# Altium PCB motordriver-v5.1_willem.PcbDoc (part 5 of 6)
Units mil, origin at the board's own origin, x right, y up, seen from the top; angles counter-clockwise.
Board outline 3985.43 x 6141.73 mil, 4 copper layers (Top Copper, Signal Layer 1, Signal Layer 2, Bottom Copper), stack 46.063 mil thick; 731 components, 510 nets, 2436 pads, 771 vias.
Unrouted connection lines stored in the file: 766.
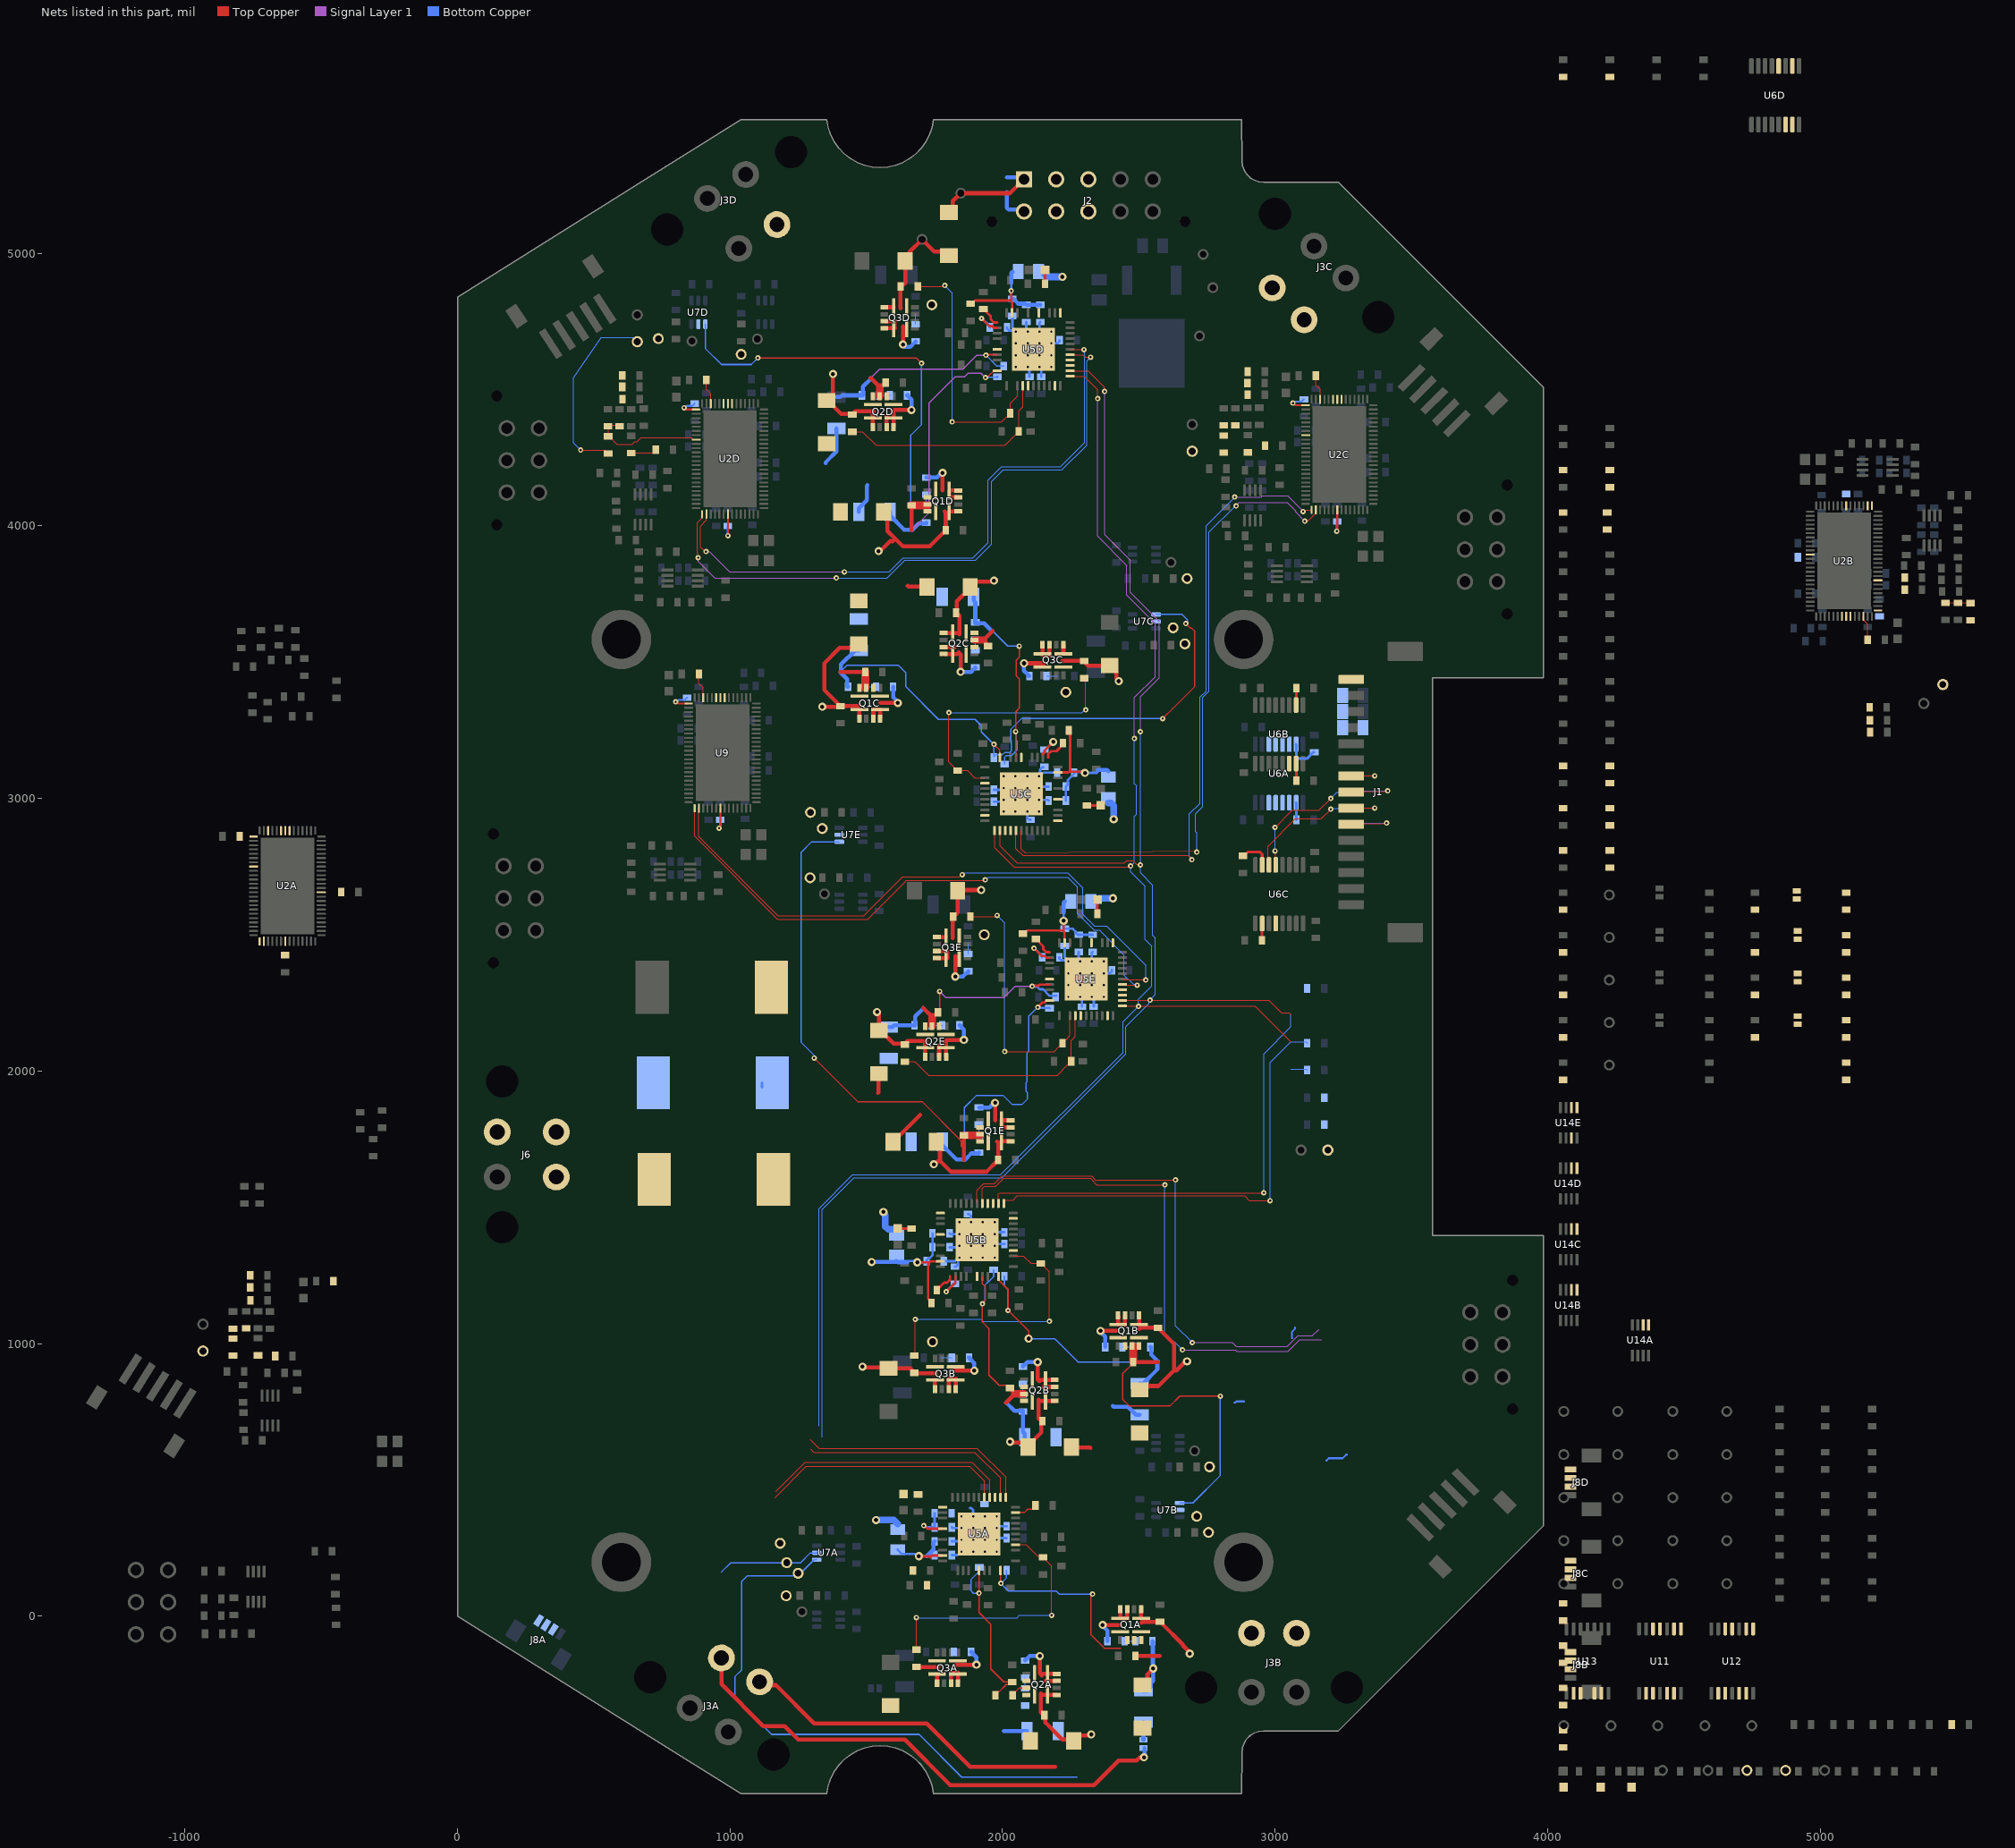
[diagram p7: the nets of this part, all layers, seen from the top]

## Via types
v1: diameter 19.68, hole 7.87, Top Copper to Bottom Copper, tented both sides, 476 vias
v2: diameter 24, hole 10, Top Copper to Bottom Copper, 160 vias
v3: diameter 19.68, hole 7.87, Top Copper to Bottom Copper, 80 vias
v4: diameter 30, hole 15, Top Copper to Bottom Copper, tented both sides, 55 vias

## Nets (pads, with @x,y where several pads share a name; then routed paths per layer and width w, separated by ;. In a path a pad name is that pad's centre, name@x,y a point inside that pad or via, vN(x,y) a via of type N, cw(c..) or ccw(c..) an arc to the next point about the centre after c; other vN are vias at no path point) (continued)
LSVD: R47D.2 R48D.2 U5D.4 | length 832.5
  Top Copper w3.5: R48D.2@1449.02,4345.08 1486.22,4345.08 1536.02,4295.28 2008.46,4295.28 2048.9,4335.71 2052.84,4335.71 R47D.2@2059.65,4342.52 ; R47D.2@2059.65,4346.46 R47D.2@2059.65,4342.52 ; 2074.65,4514 2074.65,4437.45 2059.65,4422.45 R47D.2@2059.65,4342.52
LSVE: R47E.2 R48E.2 U5E.4 | length 832.5
  Top Copper w3.5: R48E.2@1641.34,2034.06 1678.54,2034.06 1728.35,1984.25 2200.79,1984.25 2241.22,2024.69 2245.16,2024.69 R47E.2@2251.97,2031.5 ; R47E.2@2251.97,2035.43 R47E.2@2251.97,2031.5 ; 2266.97,2202.98 2266.97,2126.43 2251.97,2111.43 R47E.2@2251.97,2031.5
LSWA: R54A.2 R55A.2 U5A.3 | length 966.2
  Top Copper w3.5: R55A.2@1683.97,-123.12 v1(1684,-5) ; U5A.3@2047.92,261.96 2087.04,261.96 2129.59,219.41 2148.53,219.41 2152.47,215.47 2160.78,207.16 2160.78,203.22 2180.03,183.97 v1(2180.03,2.87)
  Bottom Copper w3.5: v1(1684,-5) 1685.15,-6.15 2052.91,-6.15 2061.92,2.87 v1(2180.03,2.87)
LSWB: R54B.2 R55B.2 U5B.3 | length 969.8
  Top Copper w3.5: R55B.2@1676.1,955.62 1679.74,959.27 v1(1679.74,1088.85) ; 2040.05,1321.02 2077.23,1321.02 2104.04,1294.21 R54B.2@2140.66,1294.21 2144.6,1294.21 2152.91,1285.9 2152.91,1281.96 2172.16,1262.71 2172.16,1136.73 v1(2172.16,1081.61)
  Bottom Copper w3.5: v1(1679.74,1088.85) 1920.93,1088.85 1928.17,1081.61 v1(2172.16,1081.61)
LSWC: R54C.2 R55C.2 U5C.3 | length 964.7
  Top Copper w3.5: v1(1803.15,3314.96) 1803.15,3259.84 1803.15,3133.86 1822.4,3114.61 1822.4,3110.67 1830.71,3102.36 R54C.2@1834.65,3102.36 1871.27,3102.36 1898.08,3075.55 1935.26,3075.55 ; R55C.2@2299.21,3440.95 2305.4,3434.75 v1(2305.4,3324.9)
  Bottom Copper w3.5: v1(1803.15,3314.96) 2291.49,3314.96 2301.43,3324.9 v1(2305.4,3324.9)
LSWD: R54D.2 R55D.2 U5D.3 | length 951.1
  Top Copper w3.5: R55D.2@1689.57,4877.95 1784.05,4877.95 v1(1787.99,4881.89) ; v1(1815.55,4381.89) 1870.67,4381.89 1996.65,4381.89 2015.91,4401.14 2019.84,4401.14 2028.15,4409.45 R54D.2@2028.15,4413.38 2028.15,4450.01 2054.96,4476.82 2054.96,4514
  Bottom Copper w3.5: v1(1787.99,4881.89) 1815.55,4854.33 v1(1815.55,4381.89)
LSWE: R54E.2 R55E.2 U5E.3 | length 953.4
  Top Copper w3.5: R55E.2@1881.89,2566.93 1976.38,2566.93 v1(1980.31,2570.87) ; v1(2007.87,2070.87) 2062.99,2070.87 2188.98,2070.87 2208.23,2090.12 2212.17,2090.12 2220.47,2098.43 2220.47,2106.3 2229.78,2115.61 2233.72,2115.61 2247.28,2129.17 2247.28,2202.98
  Bottom Copper w3.5: v1(1980.31,2570.87) 2007.87,2543.31 v1(2007.87,2070.87)
MISO: J1.9 U6A.6 | length 136.4
  Top Copper w3.5: J1.9@3279.33,2964.33 3279.45,2964.45 3366.02,2964.45 v1(3366.14,2964.57)
  Bottom Copper w3.5: 3316.93,2963.8 3317.69,2964.57 v1(3366.14,2964.57)
MISO_CTRL0: U2A.9 U11.2
MISO_CTRL1: U2B.9 U11.9
MISO_CTRL2: U2C.9 U12.2
MISO_CTRL3: U2D.9 U12.9
MISO_CTRL4: U9.9 U13.2
MISO_DRV0: U5A.13 U11.5
MISO_DRV1: U5B.13 U11.12
MISO_DRV2: U5C.13 U12.5
MISO_DRV3: U5D.13 U12.12
MISO_DRV4: U5E.13 U13.5
MISO_FILTER: C74C.2 R81C.1 U6A.11
MISO_ISO: J8A.3 J8B.3 J8C.3 J8D.3 R81C.2 U11.3 U11.6 U11.8 U11.11 U12.3 U12.6 U12.8 U12.11 U13.3 U13.6
MOSI: J1.10 R81B.2 | length 226.4
  Top Copper w3.5: J1.10@3279.33,2905.27 3281.42,2907.36 3407.36,2907.36 v1(3409.45,2909.45)
  Bottom Copper w3.5: 3316.93,2904.64 3321.74,2909.45 v1(3409.45,2909.45)
MOSI_FILTER: C74B.2 R81B.1 U6A.5
MOSI_ISO: J8A.4 J8B.4 J8C.4 J8D.4 U2A.8 U2B.8 U2C.8 U2D.8 U5A.12 U5B.12 U5C.12 U5D.12 U5E.12 U6A.12 U9.8 | length 8734.7
  Top Copper w3.5: 1295,613 1307,601 1898,601 1992.81,506.19 U5A.12@1992.81,435.19 ; U5B.12@1984.93,1513.93 1984.93,1549.93 1988,1553 v1(2959,1553) ; U5C.12@1990.38,2882.64 1990.38,2825.62 2053,2763 2447,2763 2456,2772 2478.62,2772 2491.52,2759.1 2502.9,2759.1 v1(2506,2756) ; U5D.12@2247.87,4569.12 2313.88,4569.12 2373.16,4509.84 2373.16,4494.84 v1(2375,4493) ; U5E.12@2440.2,2258.1 2441.15,2259.05 2540.05,2259.05 v1(2541,2260) 2977,2260 3023.33,2213.67 3051.69,2213.67 3058.27,2207.09
  Signal Layer 1 w3.5: v1(2375,4493) 2375,3968 2469,3874 2469,3756 2576,3649 2576,3443 2506,3373 v1(2506,3245)
  Bottom Copper w3.5: 1338,656 1338,1491 1455,1608 1998,1608 2453,2063 2453,2163 2538.33,2248.33 2538.33,2257.33 2561.28,2280.28 2561.28,2487.72 2551,2498 2551,2682 2506,2727 v1(2506,2756) v1(2506,3245) ; v1(2959,1553) 2959,2063.41 3058.27,2162.68 3058.27,2207.09 3057.56,2206.38
MOTOR_TEMPA: C4A.2 R18A.2 R20A.1 U2A.22
MOTOR_TEMPB: C4B.2 R18B.2 R20B.1 U2B.22 | length 92.4
  Top Copper w3.5: R20B.1@5460,3717.88 5551,3717.88 R18B.2@5552,3716.88
MOTOR_TEMPC: C4C.2 R18C.2 R20C.1 U2C.22
MOTOR_TEMPD: C4D.2 R18D.2 R20D.1 U2D.22 | length 431.8
  Top Copper w3.5: R20D.1@594,4370.5 554,4370.5 553,4369.5 553,4331.5 556.94,4331.5 557.2,4331.24 557.2,4328.24 585.43,4300 641.49,4300 650.49,4309 659,4309 673.8,4323.8 859.18,4323.8 861.23,4321.75 861.23,4318.72 863.06,4316.89 U2D.22@876.06,4316.89
MUX_SEL_0: J1.1 R81I.2
MUX_SEL_1: J1.7 R81J.2 | length 136.4
  Top Copper w3.5: J1.7@3279.33,3082.44 3279.45,3082.56 3366.02,3082.56 v1(3366.14,3082.68)
  Bottom Copper w3.5: 3316.93,3082.13 3317.48,3082.68 v1(3366.14,3082.68)
MUX_SEL_FILTER_0: C74I.2 R81I.1 U6A.3
MUX_SEL_FILTER_1: C74J.2 R81J.1 U6C.5 | length 446.7
  Top Copper w3.5: v1(3000,2807.09) 3001.37,2805.72 3001.37,2757.55 U6C.5@3002.74,2756.18 ; v1(3000,2893.7) 3062.99,2956.69 3161.84,2956.69 3204.72,2999.58 v1(3204.72,3000)
  Bottom Copper w3.5: v1(3000,2807.09) v1(3000,2893.7) ; v1(3204.72,3000) 3204.72,3000.56 3227.13,3022.97 3253.94,3022.97
MUX_SEL_ISO_0: U6A.14 U14A.6 U14B.6 U14C.6 U14D.6 U14E.6
MUX_SEL_ISO_1: U6C.12 U14A.5 U14B.5 U14C.5 U14D.5 U14E.5
NetD6A_1: D6A.1 R56A.2
NetD6B_1: D6B.1 R56B.2 | length 51.2
  Top Copper w9: R56B.2@1660.35,1422.16 R56B.2@1666.1,1422.16
  Top Copper w10: D6B.1@1614.92,1422.16 R56B.2@1660.35,1422.16
NetD6C_1: D6C.1 R56C.2 | length 51.2
  Top Copper w9: R56C.2@2309.21,2974.41 R56C.2@2314.96,2974.41
  Top Copper w10: R56C.2@2314.96,2974.41 D6C.1@2360.39,2974.41
NetD6D_1: D6D.1 R56D.2 | length 51.2
  Top Copper w9: R56D.2@2156.1,4887.95 R56D.2@2156.1,4893.7
  Top Copper w10: R56D.2@2156.1,4893.7 D6D.1@2156.1,4939.13
NetD6E_1: D6E.1 R56E.2 | length 51.2
  Top Copper w9: R56E.2@2348.42,2576.93 R56E.2@2348.42,2582.68
  Top Copper w10: R56E.2@2348.42,2582.68 D6E.1@2348.42,2628.11
NetD8_1: D8.1 R11.1
NetD9_1: D9.1 R12.1
NetD10_1: D10.1 R13.1
NetJ6_1: J6.1 L1.1
NetJ6_2: J6.2 L2.1
NetJ6_3: J6.3 L3.1
NetR14A_1: R14A.1 R18A.1
NetR14B_1: R14B.1 R18B.1
NetR14C_1: R14C.1 R18C.1
NetR14D_1: R14D.1 R18D.1 | length 701
  Top Copper w3.5: v1(452,4278) 543.5,4278 R18D.1@553,4268.5
  Bottom Copper w3.5: v1(452,4278) 426.03,4303.97 425,4305 425,4544 425.34,4544.34 527.16,4690.75 527.38,4690.97 528.4,4692 642.46,4692 658.67,4675.79 R14D.1@660,4675.79
NetR15A_1: R15A.1 R19A.1
NetR15B_1: R15B.1 R19B.1
NetR15C_1: R15C.1 R19C.1
NetR15D_1: R15D.1 R19D.1 | length 103.1
  Top Copper w3.5: R19D.1@637,4267.5 723.44,4267.5 733.5,4277.56 R15D.1@733.5,4280
NetR57A_1: R57A.1 U6A.7 | length 123.9
  Bottom Copper w10: U6A.7@3077.36,3198.82 3078.5,3197.68 3078.5,3153.78 3086.41,3145.87 3116.54,3145.87 3139.96,3169.29 R57A.1@3143.9,3169.29
NetR57B_1: R57B.1 U6B.7 | length 63.1
  Top Copper w10: U6B.7@3077.36,3127.95 3077.86,3127.45 3077.86,3065.74 R57B.1@3078.37,3065.24
NetR57C_1: R57C.1 U6C.7 | length 118.4
  Top Copper w10: R57C.1@2882.26,2789.65 2886.2,2789.65 2899.7,2803.15 2944.88,2803.15 2952.74,2795.3 U6C.7@2952.74,2756.18
NetR57D_1: R57D.1 U6D.7
NetR58A_1: R58A.1 U6A.10 | length 63.1
  Bottom Copper w10: U6A.10@3077.36,2984.25 3077.86,2983.75 3077.86,2922.04 R58A.1@3078.37,2921.54
NetR58B_1: R58B.1 U6B.10 | length 63.1
  Top Copper w10: U6B.10@3077.36,3342.52 3077.86,3343.02 3077.86,3404.73 R58B.1@3078.37,3405.24
NetR58C_1: R58C.1 U6C.10 | length 63.1
  Top Copper w10: R58C.1@2951.73,2478.9 2952.23,2479.4 2952.23,2541.11 U6C.10@2952.74,2541.61
NetR58D_1: R58D.1 U6D.10
NetR68A_1: R68A.1 U5A.9 | length 86.1
  Top Copper w5: U5A.9@2047.92,380.07 2080.58,380.07 2093.26,392.75 2111.69,392.75 2121,402.06 R68A.1@2121,406
NetR68B_1: R68B.1 U5B.9
NetR68C_1: R68C.1 U5C.9
NetR68D_1: R68D.1 U5D.9
NetR68E_1: R68E.1 U5E.9
NetR73_1: R73.1 R77.1
NetR74_1: R74.1 R78.1
OUT2E: U14E.3
OUT3D: U6D.12
OUT4B: U6B.6
OUT4C: U6C.6 | length 407.8
  Top Copper w3.5: U6C.6@2977.74,2756.18 2973.88,2760.04 2973.88,2785.3 2973.59,2785.58 2973.59,2823.99 3074.8,2925.2 3169.29,2925.2 v1(3204.72,2960.63)
  Bottom Copper w3.5: v1(3204.72,2960.63) 3207.34,2960.63 3210.52,2963.8 3253.94,2963.8
OUT4D: U6D.6
PGND: C3A.1 C3B.1 C3C.1 C3D.1 C29A.2 C29B.2 C29C.2 C29D.2 C29E.2 C30A.2 C30B.2 C30C.2 C30D.2 C30E.2 C34A.1 C34B.1 C34C.1 C34D.1 C34E.1 C35A.1 C35B.1 C35C.1 C35D.1 C35E.1 C36A.1 C36B.1 C36C.1 C36D.1 C36E.1 C41A.2 C41B.2 C41C.2 C41D.2 C41E.2 C42A.2 C42B.2 C42C.2 C42D.2 C42E.2 C43A.2 C43B.2 C43C.2 C43D.2 C43E.2 C71.1 D1.1 D3A.1 D3B.1 D3C.1 D3D.1 D3E.1 D4A.1 D4B.1 D4C.1 D4D.1 D4E.1 D5A.1 D5B.1 D5C.1 D5D.1 D5E.1 J2.6 J2.7 J2.8 Q1A.1 Q1A.11 Q1B.1 Q1B.11 Q1C.1 Q1C.11 Q1D.1 Q1D.11 Q1E.1 Q1E.11 Q2A.1 Q2A.11 Q2B.1 Q2B.11 Q2C.1 Q2C.11 Q2D.1 Q2D.11 Q2E.1 Q2E.11 Q3A.1 Q3A.11 Q3B.1 Q3B.11 Q3C.1 Q3C.11 Q3D.1 Q3D.11 Q3E.1 Q3E.11 R17A.2 R17B.2 R17C.2 R17D.2 R42A.1 R42B.1 R42C.1 R42D.1 R42E.1 R48A.1 R48B.1 R48C.1 R48D.1 R48E.1 R55A.1 R55B.1 R55C.1 R55D.1 R55E.1 R76.2 TP7.1 U5A.38 U5B.38 U5C.38 U5D.38 U5E.38 | length 7463.4
  Top Copper w10: Q3D.11@1599.81,4802.16 Q3D.11@1600,4801.97 ; Q3B.11@1751.89,865.86 Q3B.11@1752.08,866.06 ; Q3A.11@1759.76,-212.88 Q3A.11@1759.95,-212.68 ; Q3E.11@1792.13,2491.14 Q3E.11@1792.32,2490.95 ; Q3C.11@2223.23,3530.51 Q3C.11@2223.42,3530.71
  Top Copper w15: v4(1338.58,3336.61) 1399.61,3336.61 R42C.1@1402.26,3339.27 ; D4D.1@1354.53,4459.84 D4D.1@1359.25,4459.84 ; v4(1377.95,4557.09) 1377.95,4483.27 1371.81,4477.12 1371.81,4472.4 D4D.1@1359.25,4459.84 ; R48D.1@1449.02,4408.07 R48D.1@1449.02,4410.51 ; D3C.1@1472.44,3566.34 1458.36,3552.26 1402.66,3552.26 1346.46,3496.07 1346.46,3397.64 1402.26,3341.83 R42C.1@1402.26,3339.27 ; 1473.65,3342.52 1469.71,3338.58 R42C.1@1405.51,3338.58 1402.95,3338.58 R42C.1@1402.26,3339.27 ; Q1C.1@1474.41,3292.91 1474.41,3326.38 Q1C.11@1474.61,3326.58 ; v4(1486.22,915.35) 1489.41,912.16 1578.42,912.16 D5B.1@1581.61,908.97 1662.2,908.97 1676.1,895.07 1676.1,892.24 1676.85,891.49 1755.98,891.49 1754.84,892.63 ; Q2D.1@1523.62,4362.6 1523.62,4416.73 1528.15,4421.26 1459.77,4421.26 R48D.1@1449.02,4410.51 ; v4(1539.37,2216.54) 1546.85,2209.06 D4E.1@1546.85,2148.82 1551.57,2148.82 1600.16,2100.24 1640.59,2100.24 R48E.1@1641.34,2099.49 ; v4(1545.28,3907.48) 1550.69,3907.48 1587.1,3943.9 1596.95,3943.9 1606.35,3953.3 ; D3D.1@1564.17,4051.18 1578.25,4037.1 1578.25,3981.4 1606.35,3953.3 ; Q3D.1@1566.34,4802.16 Q3D.11@1599.81,4802.16 ; 1626.57,4799.21 1625.44,4798.07 1625.44,4877.2 1626.18,4877.95 1629.02,4877.95 1642.91,4891.85 D5D.1@1642.91,4972.44 1657.97,4987.5 1657.97,5004.43 1704.72,5051.18 1749.31,5006.59 1788.09,5006.59 D1.1@1803.15,4991.54 ; R48E.1@1641.34,2097.05 R48E.1@1641.34,2099.49 ; R55A.1@1683.97,-183.67 1683.97,-186.5 1684.72,-187.25 1763.85,-187.25 1762.71,-186.11 ; Q2E.1@1715.94,2051.57 1715.94,2105.71 1720.47,2110.24 1652.09,2110.24 R48E.1@1641.34,2099.49 ; v4(1748,1658) 1752.06,1658 1764.43,1670.37 1770.57,1670.37 ; Q3B.1@1751.88,832.4 Q3B.11@1751.89,865.86 ; D3E.1@1756.49,1740.16 1770.57,1726.08 1770.57,1670.37 ; Q3E.1@1758.66,2491.14 Q3E.11@1792.13,2491.14 ; Q3A.1@1759.76,-246.34 Q3A.11@1759.76,-212.88 ; Q2C.1@1783.86,3606.89 1837.99,3606.89 1842.52,3602.36 1842.52,3670.75 R48C.1@1831.77,3681.5 ; 1787.99,4052.39 1791.93,4048.45 1791.93,3981.69 1791.24,3981 1788.68,3981 1732.88,3925.2 1634.45,3925.2 1606.35,3953.3 ; Q1D.11@1803.94,4053.35 1804.13,4053.15 Q1D.1@1837.6,4053.15 ; 1817.76,2487.05 1817.76,2566.18 1818.51,2566.93 1821.34,2566.93 1835.24,2580.83 1835.24,2666.14 1837.38,2664 v4(1922,2664) ; R48C.1@1829.33,3681.5 R48C.1@1831.77,3681.5 ; v4(1968.5,3799.21) 1964.68,3795.39 1905.23,3795.39 1903.11,3793.27 1893.66,3793.27 1881.1,3780.71 D4C.1@1881.1,3775.99 1881.1,3771.26 1832.52,3722.68 1832.52,3682.25 R48C.1@1831.77,3681.5 ; 1980.31,1741.36 1984.25,1737.43 1984.25,1670.67 1983.56,1669.98 1981,1669.98 1941.23,1630.2 1810.74,1630.2 1770.57,1670.37 ; Q1E.11@1996.26,1742.32 1996.46,1742.13 Q1E.1@2029.92,1742.13 ; v4(2027.56,639.76) 2031.39,635.94 2081.65,635.94 D4B.1@2094.21,623.38 ; D4B.1@2094.21,620.58 D4B.1@2094.21,623.38 ; R48B.1@2145.98,715.07 R48B.1@2143.54,715.07 ; Q2B.1@2191.45,789.68 2137.32,789.68 2132.79,794.21 2132.79,725.82 R48B.1@2143.54,715.07 ; Q2A.1@2199.33,-289.06 2145.19,-289.06 2140.66,-284.53 2140.66,-352.92 2156.95,-369.2 2156.95,-389.95 2219.47,-452.47 2255.06,-452.47 D4A.1@2260.74,-458.16 ; 2220.47,3503.94 2219.33,3505.08 2298.46,3505.08 2299.21,3504.33 2299.21,3501.5 2313.11,3487.6 2398.43,3487.6 2418.48,3467.54 2418.48,3439.51 2426.36,3431.63 v4(2426.36,3430.36) ; Q3C.11@2223.42,3530.71 Q3C.1@2223.43,3564.17 ; D4A.1@2260.74,-453.43 2273.3,-440.87 2278.03,-440.87 2281.04,-437.85 2321.6,-437.85 v4(2325.42,-434.03) ; Q1B.11@2500.7,1069.99 2500.9,1070.19 Q1B.1@2500.9,1103.66 ; 2501.66,1054.05 2505.6,1057.99 2572.36,1057.99 2573.05,1057.3 2573.05,1054.74 2628.85,998.93 2628.85,900.51 ; D3B.1@2502.87,830.23 2516.95,844.31 2572.65,844.31 2628.85,900.51 ; Q1A.11@2508.58,-8.75 2508.77,-8.55 Q1A.1@2508.77,24.92 ; 2509.54,-24.69 2513.48,-20.75 2580.23,-20.75 2580.92,-21.44 2580.92,-24 2662.58,-105.66 2662.58,-107.95 2687.01,-132.38 v4(2687.01,-137.8) ; v4(2677.17,935.04) 2671.75,935.04 2637.22,900.51 2628.85,900.51 ; D4D.1@1359.25,4459.84 1407.84,4411.26 1448.27,4411.26 R48D.1@1449.02,4410.51 ; D4B.1@2094.21,623.38 2094.21,625.31 2142.79,673.89 2142.79,714.33 R48B.1@2143.54,715.07
  Bottom Copper w3.5: 3058.27,2007.09 3114.96,2007.09 R76.2@3118.11,2003.94
  Bottom Copper w9: C42B.2@1784.21,1302.08 1825.31,1302.08 1838.34,1315.11 v3(1841.23,1315.11) 1841.23,1312.22 1836.95,1307.94 1836.95,1289.71 1829.64,1282.4 C41B.2@1825.7,1282.4 ; C30B.2@1806.02,1353.26 1833.18,1353.26 1838.34,1358.42 v3(1841.23,1358.42) ; C29B.2@1806.02,1404.44 1808.73,1401.73 v3(1841.23,1401.73) ; C30A.2@1813.89,274.52 v3@1841.05,274.52 ; C29A.2@1813.89,325.7 1816.61,322.99 v3(1849.1,322.99) ; C41A.2@1814,224 1833.84,224 v3@1846.21,236.37 ; C43B.2@1872.95,1475.31 1876.89,1475.31 1884.2,1468 1884.2,1445.38 v3(1884.54,1445.03) ; 1880.82,396.57 1884.76,396.57 1892.07,389.26 1892.07,366.64 v3(1892.41,366.29) ; C36C.1@1968.5,2988.19 1994.61,2988.19 2001.27,2994.84 v3(2004.16,2994.84) ; C35C.1@1968.5,3031.5 1994.61,3031.5 2001.27,3038.15 v3(2004.16,3038.15) ; v3(1971.15,1358.42) 1974.04,1358.42 1980.7,1365.07 C35B.1@2006.81,1365.07 ; v3(1971.15,1401.73) 1974.04,1401.73 1980.7,1408.38 C36B.1@2006.81,1408.38 ; 1988.57,286.33 C35A.1@2014.68,286.33 ; 1988.57,329.64 C36A.1@2014.68,329.64 ; C41D.2@2016.34,4728.35 2016.34,4724.41 2023.65,4717.1 2041.89,4717.1 2046.16,4712.82 v3(2049.06,4712.82) 2049.06,4715.71 2036.02,4728.74 C42D.2@2036.02,4769.84 ; C30D.2@2087.2,4748.03 2087.2,4720.87 2092.36,4715.71 v3(2092.36,4712.82) ; v3(2090.77,2951.54) 2091.11,2951.2 2091.11,2928.57 2098.42,2921.26 C43C.2@2102.36,2921.26 ; v3(2092.36,4582.9) 2092.36,4580.01 2099.02,4573.35 C35D.1@2099.02,4547.24 ; v3(2134.08,2994.84) 2166.58,2994.84 C29C.2@2169.29,2992.13 ; v3(2134.08,3038.15) 2136.97,3038.15 2142.13,3043.31 C30C.2@2169.29,3043.31 ; v3(2134.08,3081.46) 2136.97,3081.46 2150.53,3095.02 C42C.2@2200.26,3095.02 ; v3(2135.67,4582.9) 2135.67,4580.01 2142.32,4573.35 C36D.1@2142.32,4547.24 ; v3(2135.67,4712.82) 2135.67,4745.32 C29D.2@2138.39,4748.03 ; v3@2138.36,3088.63 2138.36,3106.86 2145.67,3114.18 C41C.2@2149.61,3114.18 ; v3(2178.98,4669.51) 2179.32,4669.85 2201.94,4669.85 2209.25,4677.16 C43D.2@2209.25,4681.1 ; C41E.2@2208.66,2417.32 2208.66,2413.39 2215.97,2406.08 2234.21,2406.08 2238.49,2401.8 v3(2241.38,2401.8) 2241.38,2404.69 2228.35,2417.72 C42E.2@2228.35,2458.82 ; C30E.2@2279.53,2437.01 2279.53,2409.85 2284.68,2404.69 v3(2284.68,2401.8) ; v3(2284.68,2271.87) 2284.68,2268.98 2291.34,2262.33 C35E.1@2291.34,2236.22 ; v3(2327.99,2271.87) 2327.99,2268.98 2334.64,2262.33 C36E.1@2334.64,2236.22 ; v3(2327.99,2401.8) 2327.99,2434.29 C29E.2@2330.71,2437.01 ; v3(2371.3,2358.49) 2371.64,2358.83 2394.26,2358.83 2401.57,2366.14 C43E.2@2401.57,2370.08
  Bottom Copper w15: 2015.75,5224.41 2015.75,5166.73 2022.27,5160.21 2072.07,5160.21 J2.6@2078.74,5153.54
  Bottom Copper w25: v4(1535.75,352.5) 1601,352.5 1615.11,338.39 ; v4(1562.9,1482.97) 1562.9,1479.08 1570.01,1471.97 1570.01,1429.36 1580.34,1419.03 1611.05,1419.03 ; 2153.15,4933.07 2153.15,4923.97 2163.48,4913.64 v4(2219.7,4913.64) ; 2345.47,2622.05 2345.47,2623.35 2355.81,2633.69 v4(2405.37,2633.69) ; 2388.13,2982.97 2397.56,2982.97 2407.9,2972.63 v4(2407.9,2923.42)
  other v3: 1849.1,236.37 1892.41,236.37 1935.72,236.37 1979.03,236.37 1849.1,279.68 1892.41,279.68 1935.72,279.68 1979.03,279.68 1892.41,322.99 1935.72,322.99 1979.03,322.99 1849.1,366.29 1935.72,366.29 1979.03,366.29 1884.54,1315.11 1927.84,1315.11 1971.15,1315.11 1884.54,1358.42 1927.84,1358.42 1884.54,1401.73 1927.84,1401.73 1841.23,1445.03 1927.84,1445.03 1971.15,1445.03 2241.38,2271.87 2371.3,2271.87 2241.38,2315.18 2284.68,2315.18 2327.99,2315.18 2371.3,2315.18 2241.38,2358.49 2284.68,2358.49 2327.99,2358.49 2371.3,2401.8 2004.16,2951.54 2047.47,2951.54 2134.08,2951.54 2047.47,2994.84 2090.77,2994.84 2047.47,3038.15 2090.77,3038.15 2004.16,3081.46 2047.47,3081.46 2090.77,3081.46 2049.06,4582.9 2178.98,4582.9 2049.06,4626.2 2092.36,4626.2 2135.67,4626.2 2178.98,4626.2 2049.06,4669.51 2092.36,4669.51 2135.67,4669.51 2178.98,4712.82
SCK: J1.8 R81A.2 | length 234.1
  Top Copper w3.5: J1.8@3279.33,3023.39 3281.42,3025.47 3411.3,3025.47 v1(3413.39,3027.56)
  Bottom Copper w3.5: 3316.93,3022.97 3321.52,3027.56 v1(3413.39,3027.56)
SCK_FILTER: C74A.2 R81A.1 U6A.4
SCK_ISO: J8A.2 J8B.2 J8C.2 J8D.2 U2A.7 U2B.7 U2C.7 U2D.7 U5A.11 U5B.11 U5C.11 U5D.11 U5E.11 U6A.13 U9.7 | length 8706.1
  Top Copper w3.5: 1296,648 1296,646.47 1315.41,627.07 1326.47,616 1906,616 2012.49,509.51 U5A.11@2012.49,435.19 ; U5C.11@1970.69,2882.64 1970.69,2819.31 2041.83,2748.17 2460.11,2748.17 2461.09,2749.15 2467.15,2749.15 v1(2470.25,2752.25) ; U5B.11@2004.62,1513.93 2004.62,1523.34 2007.73,1526.45 2038.15,1526.45 2053.7,1542 2888,1542 2906,1524 v1(2982,1524) ; U5D.11@2247.87,4549.43 2299.57,4549.43 2349,4500 v1(2349,4467.13) ; U5E.11@2440.2,2238.41 2440.81,2237.8 2498.41,2237.8 v1(2499.03,2237.18) 2500.25,2238.41 2926.94,2238.41 3058.27,2107.09
  Signal Layer 1 w3.5: v1(2349,4467.13) 2349,3962 2456,3855 2456,3746 2560,3642 2560,3446 2484,3370 v1(2484,3220)
  Bottom Copper w3.5: 1327,697 1327,1495.56 1450.44,1619 1993.44,1619 2442,2067.56 2442,2180.16 v1(2499.03,2237.18) 2499,2263 2548,2312 2548,2458 2523,2483 2523,2678 2470.25,2730.75 v1(2470.25,2752.25) 2483,2765 2483,2934 2491,2942 2491,3047 2484,3054 v1(2484,3220) ; v1(2982,1524) 2982,2030.82 3058.27,2107.09 3113.39,2107.09 3118.11,2102.36
SNUB1A: C28A.1 R38A.2 | length 39.4
  Bottom Copper w3.5: R38A.2@2447.75,-91.62 C28A.1@2487.12,-91.62
SNUB1B: C28B.1 R38B.2 | length 39.4
  Bottom Copper w3.5: R38B.2@2439.88,987.12 C28B.1@2479.25,987.12
SNUB1C: C28C.1 R38C.2 | length 39.4
  Bottom Copper w3.5: C28C.1@1496.06,3409.45 R38C.2@1535.43,3409.45
SNUB1D: C28D.1 R38D.2 | length 39.4
  Bottom Copper w3.5: C28D.1@1721.06,4074.8 R38D.2@1721.06,4114.17
SNUB1E: C28E.1 R38E.2 | length 39.4
  Bottom Copper w3.5: C28E.1@1913.38,1763.78 R38E.2@1913.38,1803.15
SNUB2A: C33A.1 R45A.2 | length 39.4